# Altium PCB STM32F7_CoreBoard.PcbDoc (part 1 of 8)
Units mm, origin at the board's own origin, x right, y up, seen from the top; angles counter-clockwise.
Board outline 65 x 50 mm, 6 copper layers (L1, L2, L3, L4, L5, L6), stack 1.597 mm thick; 114 components, 192 nets, 736 pads, 791 vias.
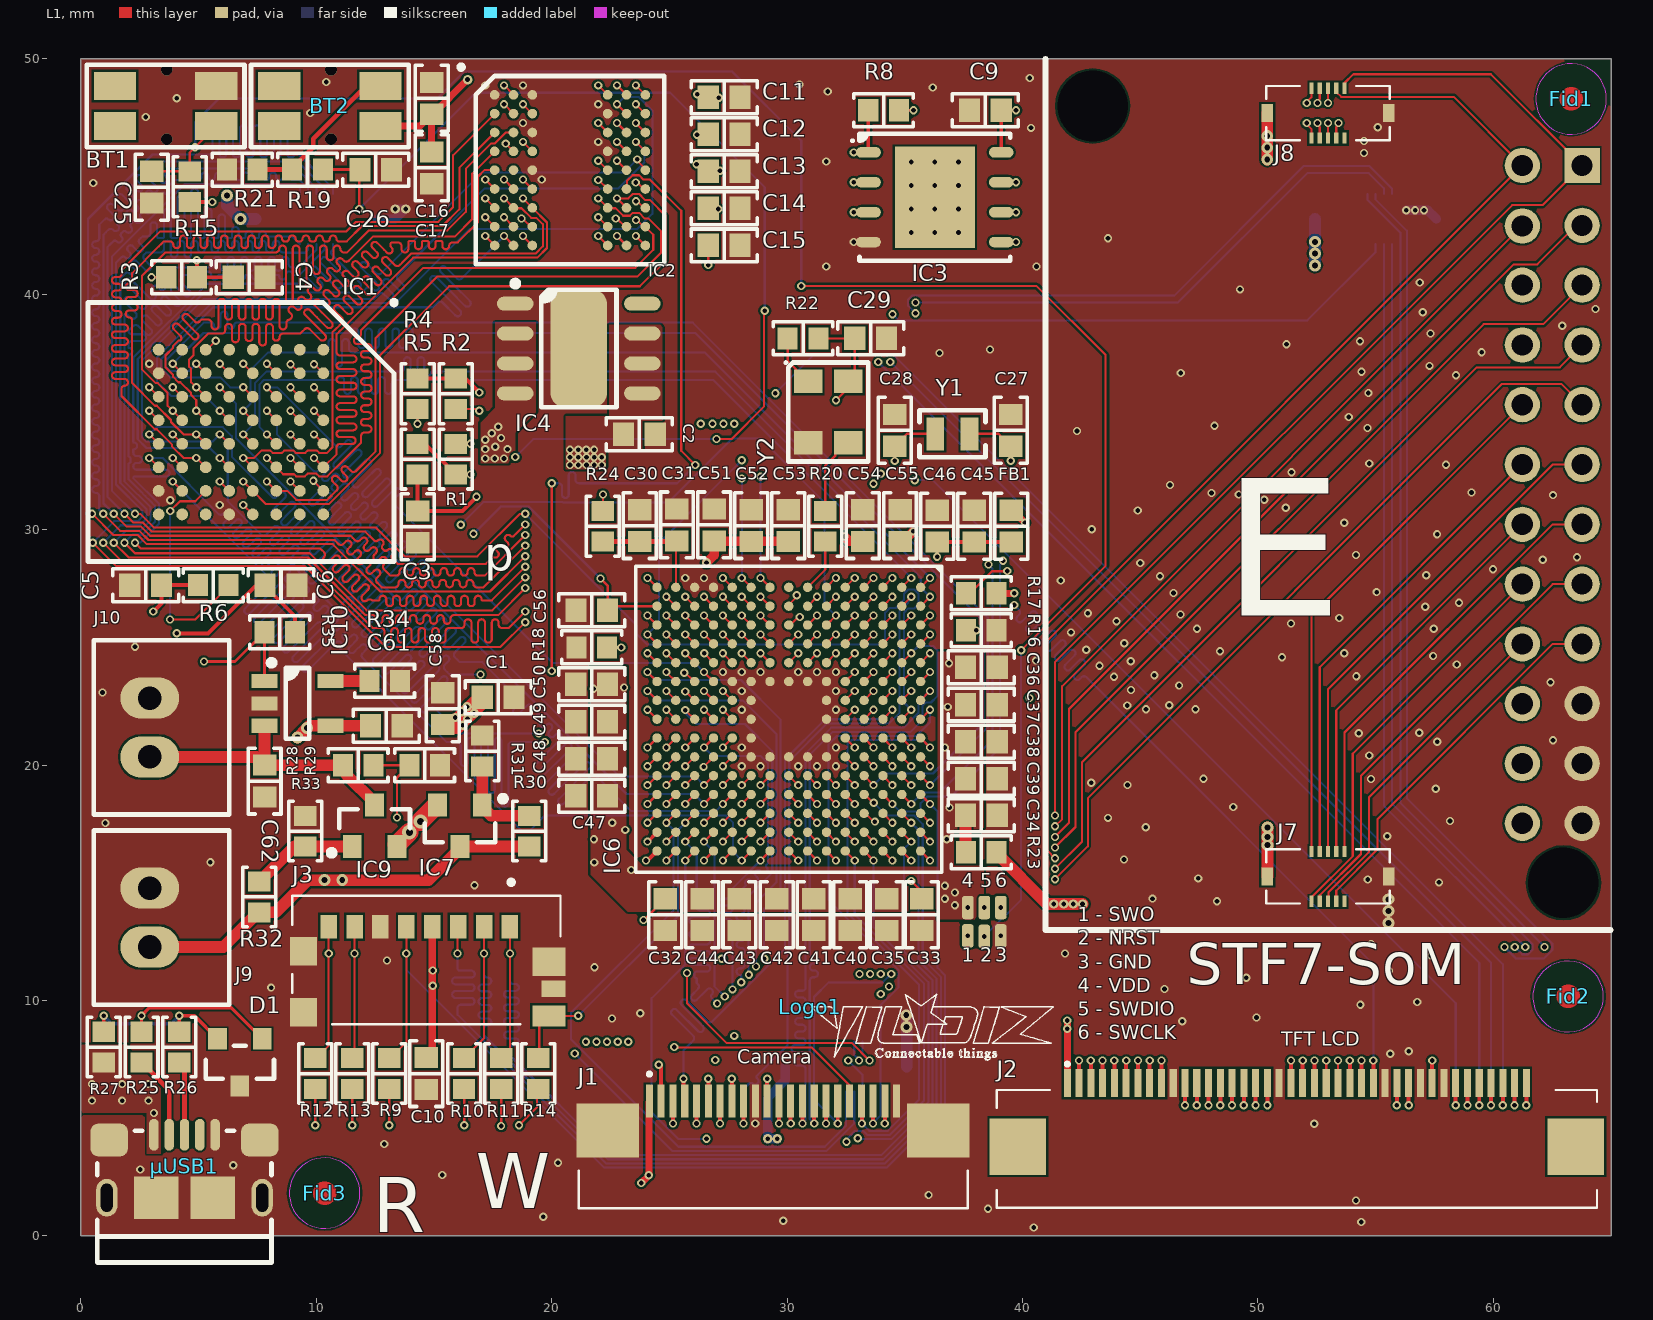
[diagram p0: L1 view]
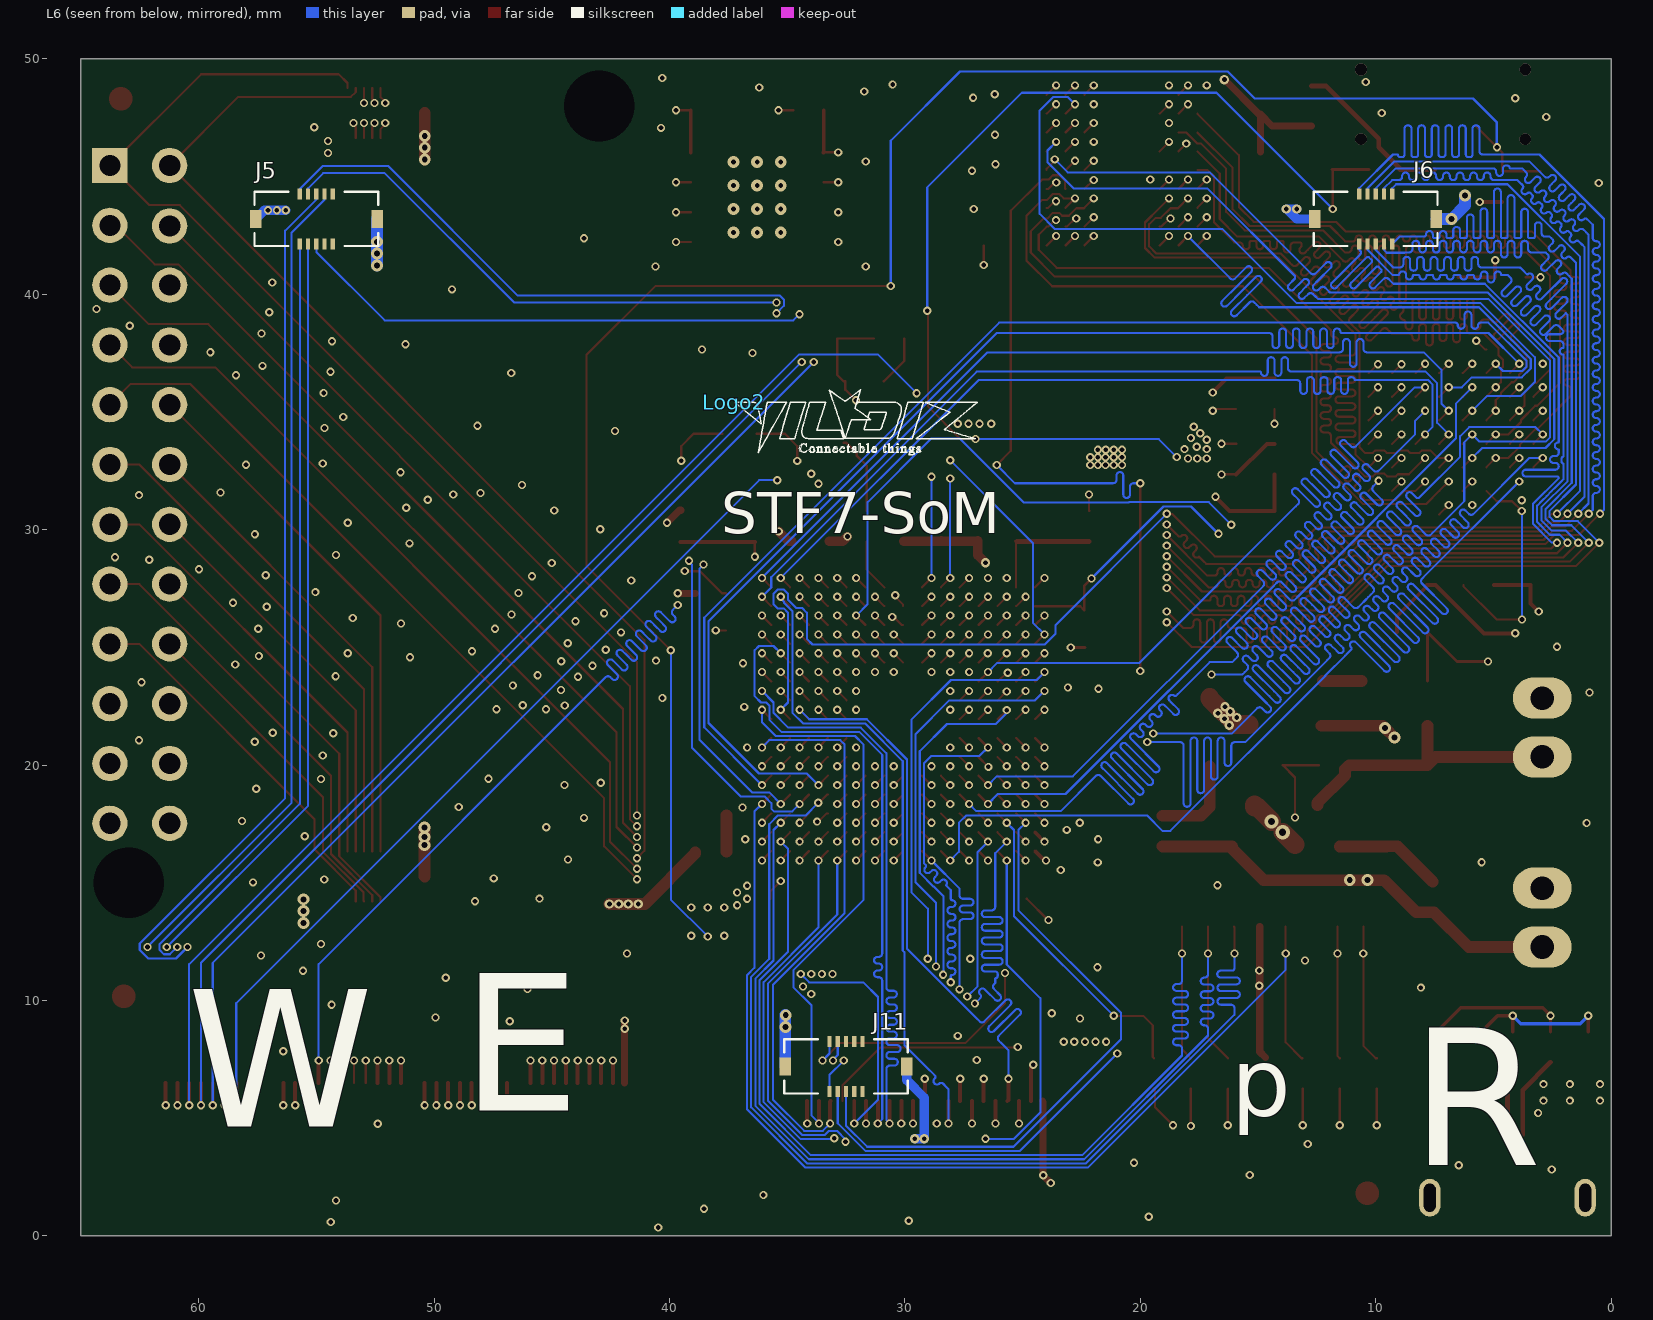
[diagram p1: L6 view, seen from below]
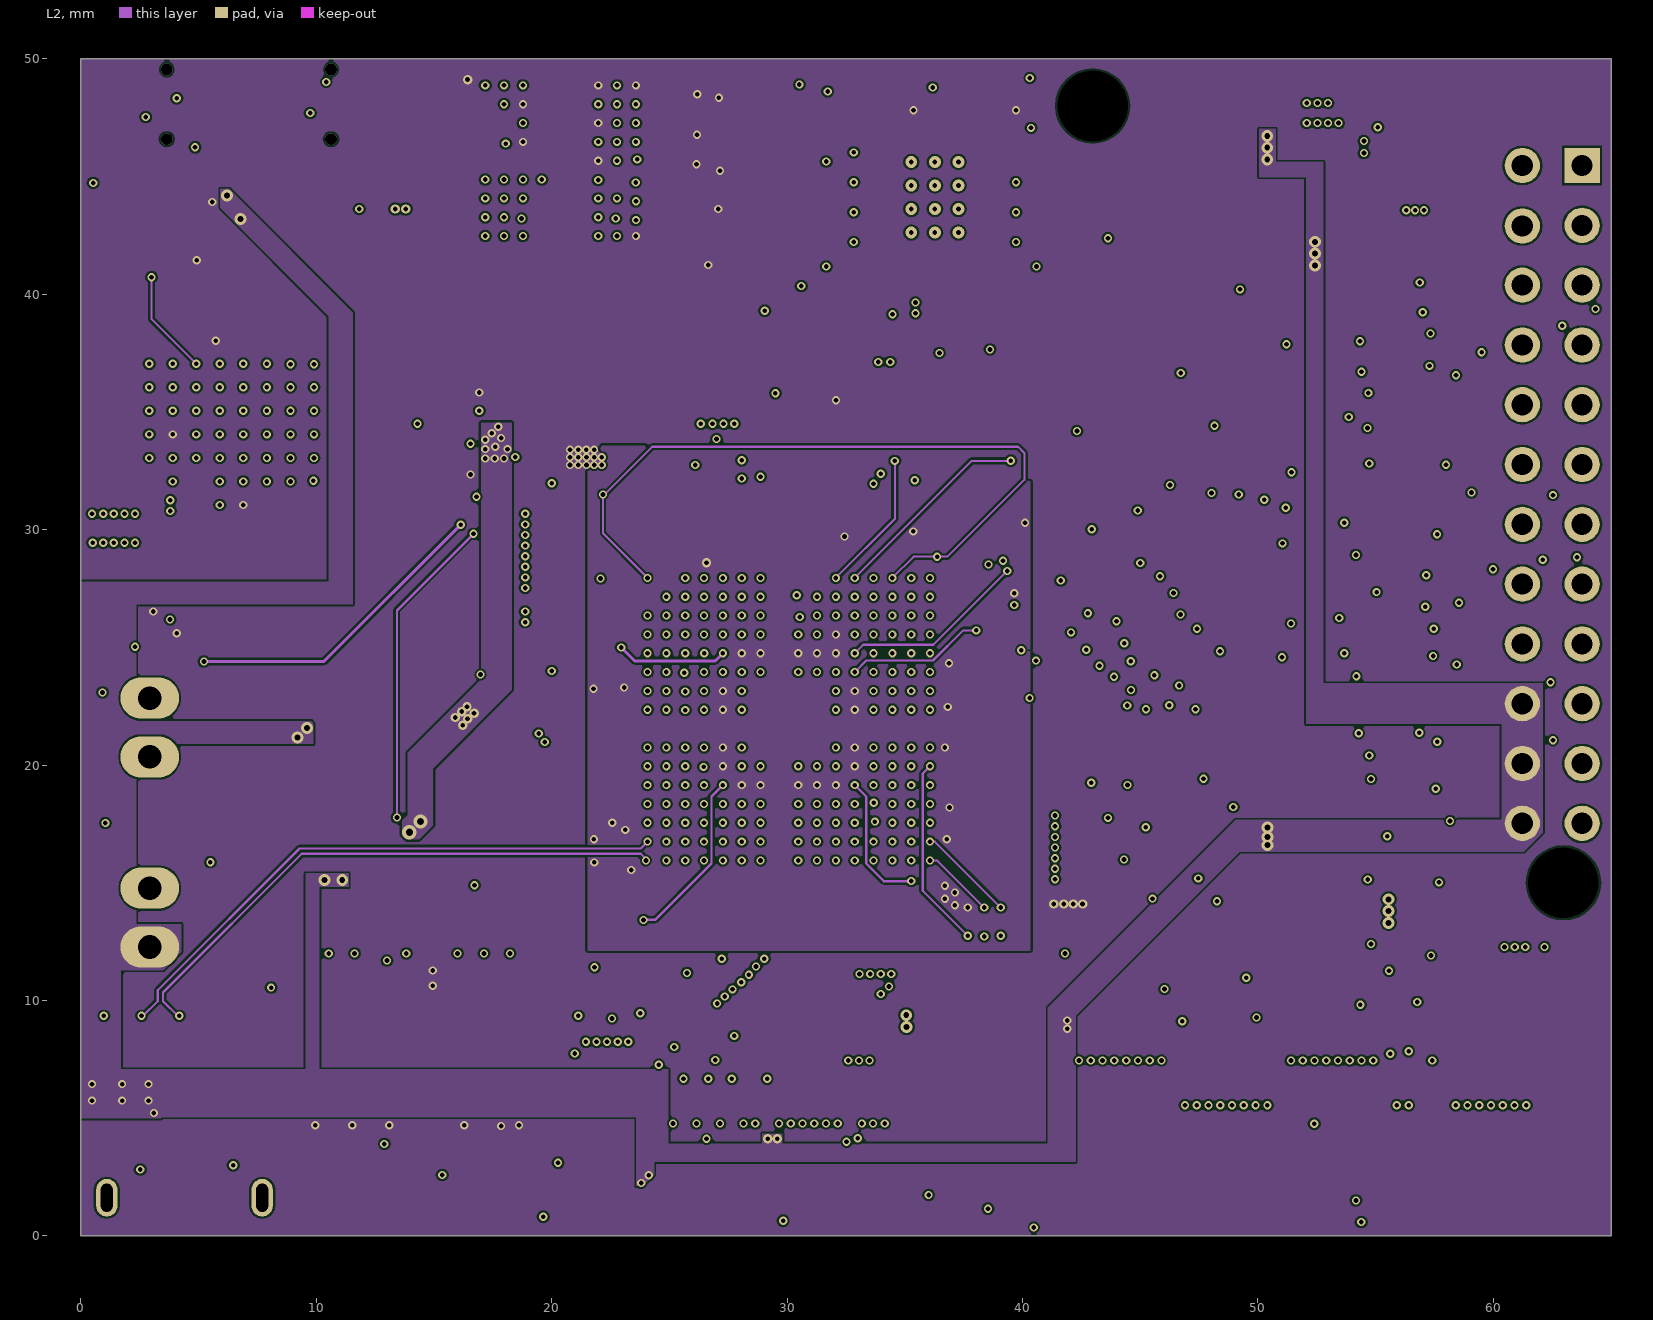
[diagram p2: L2]
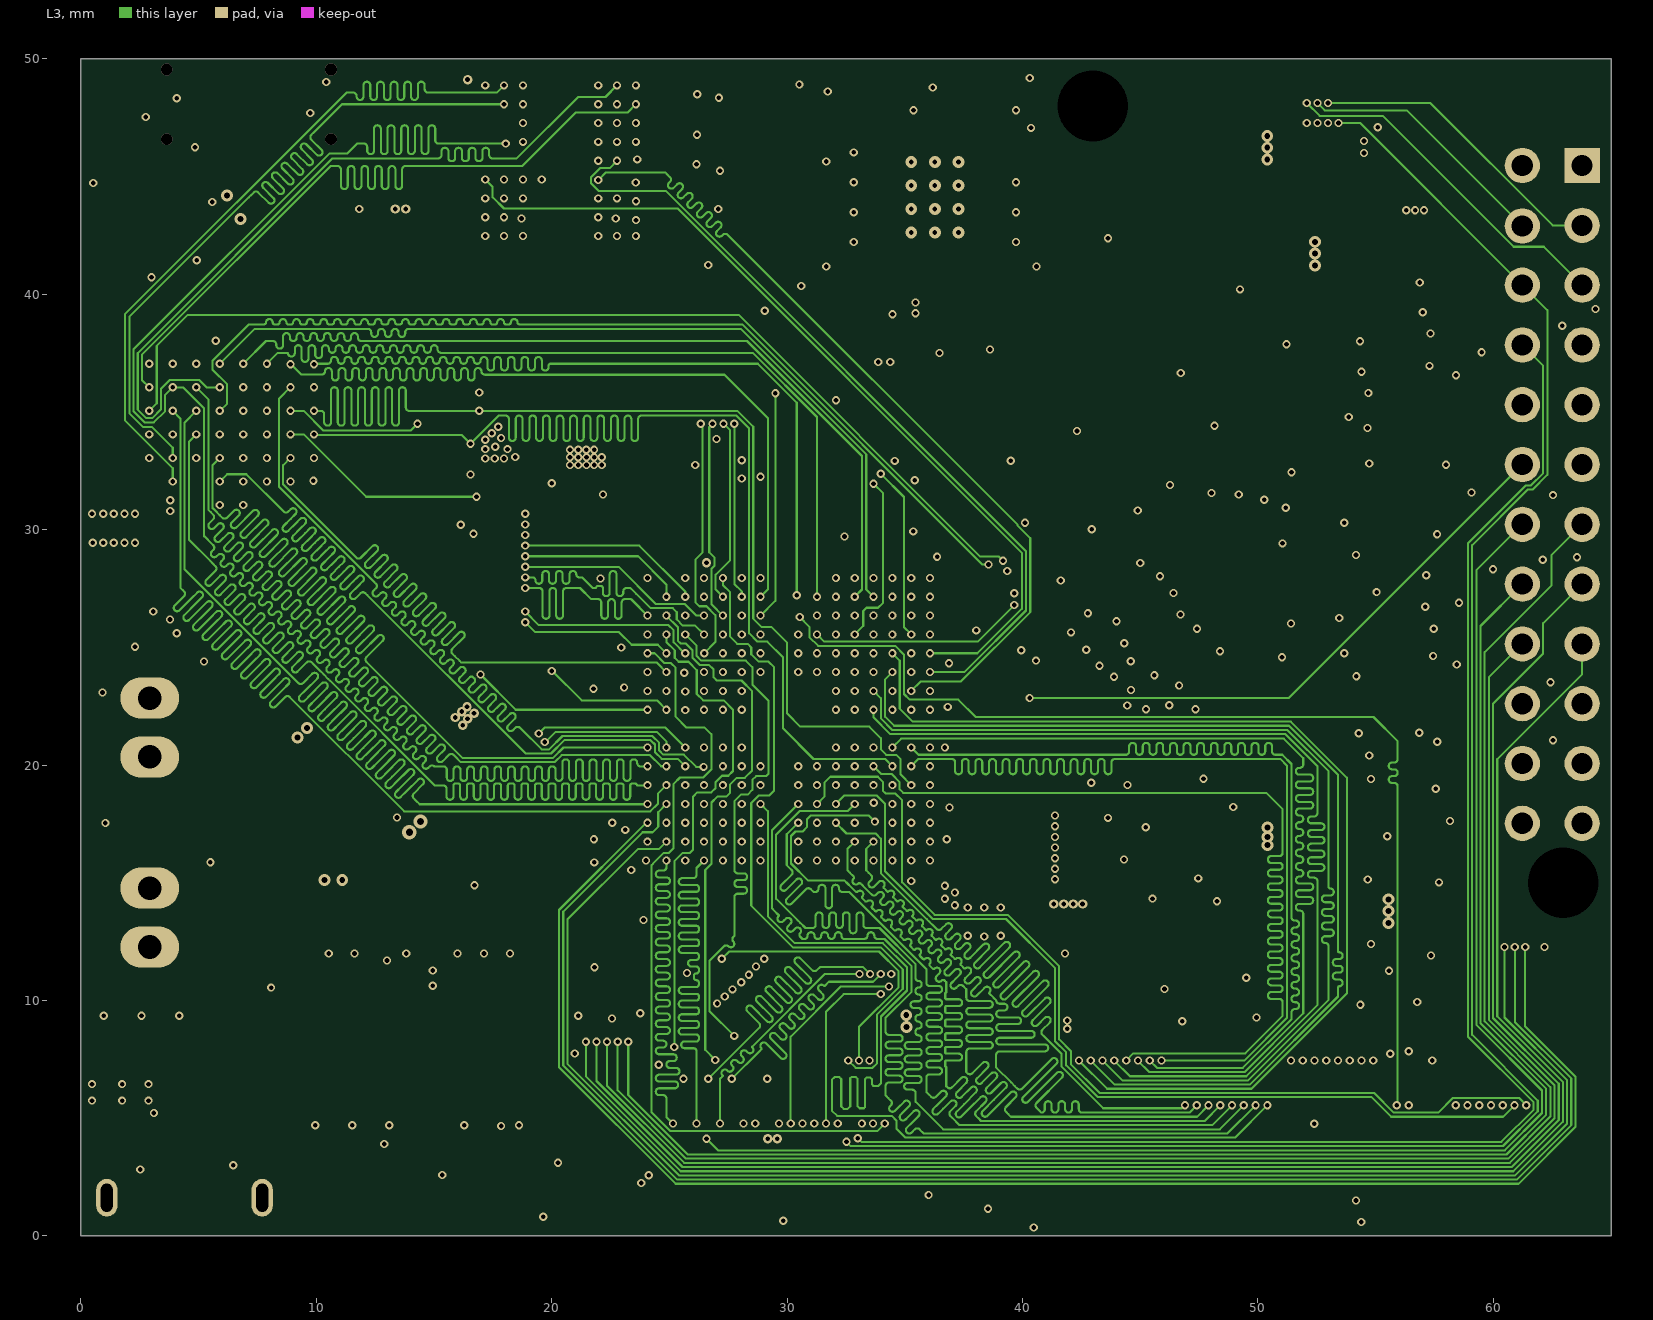
[diagram p3: L3]
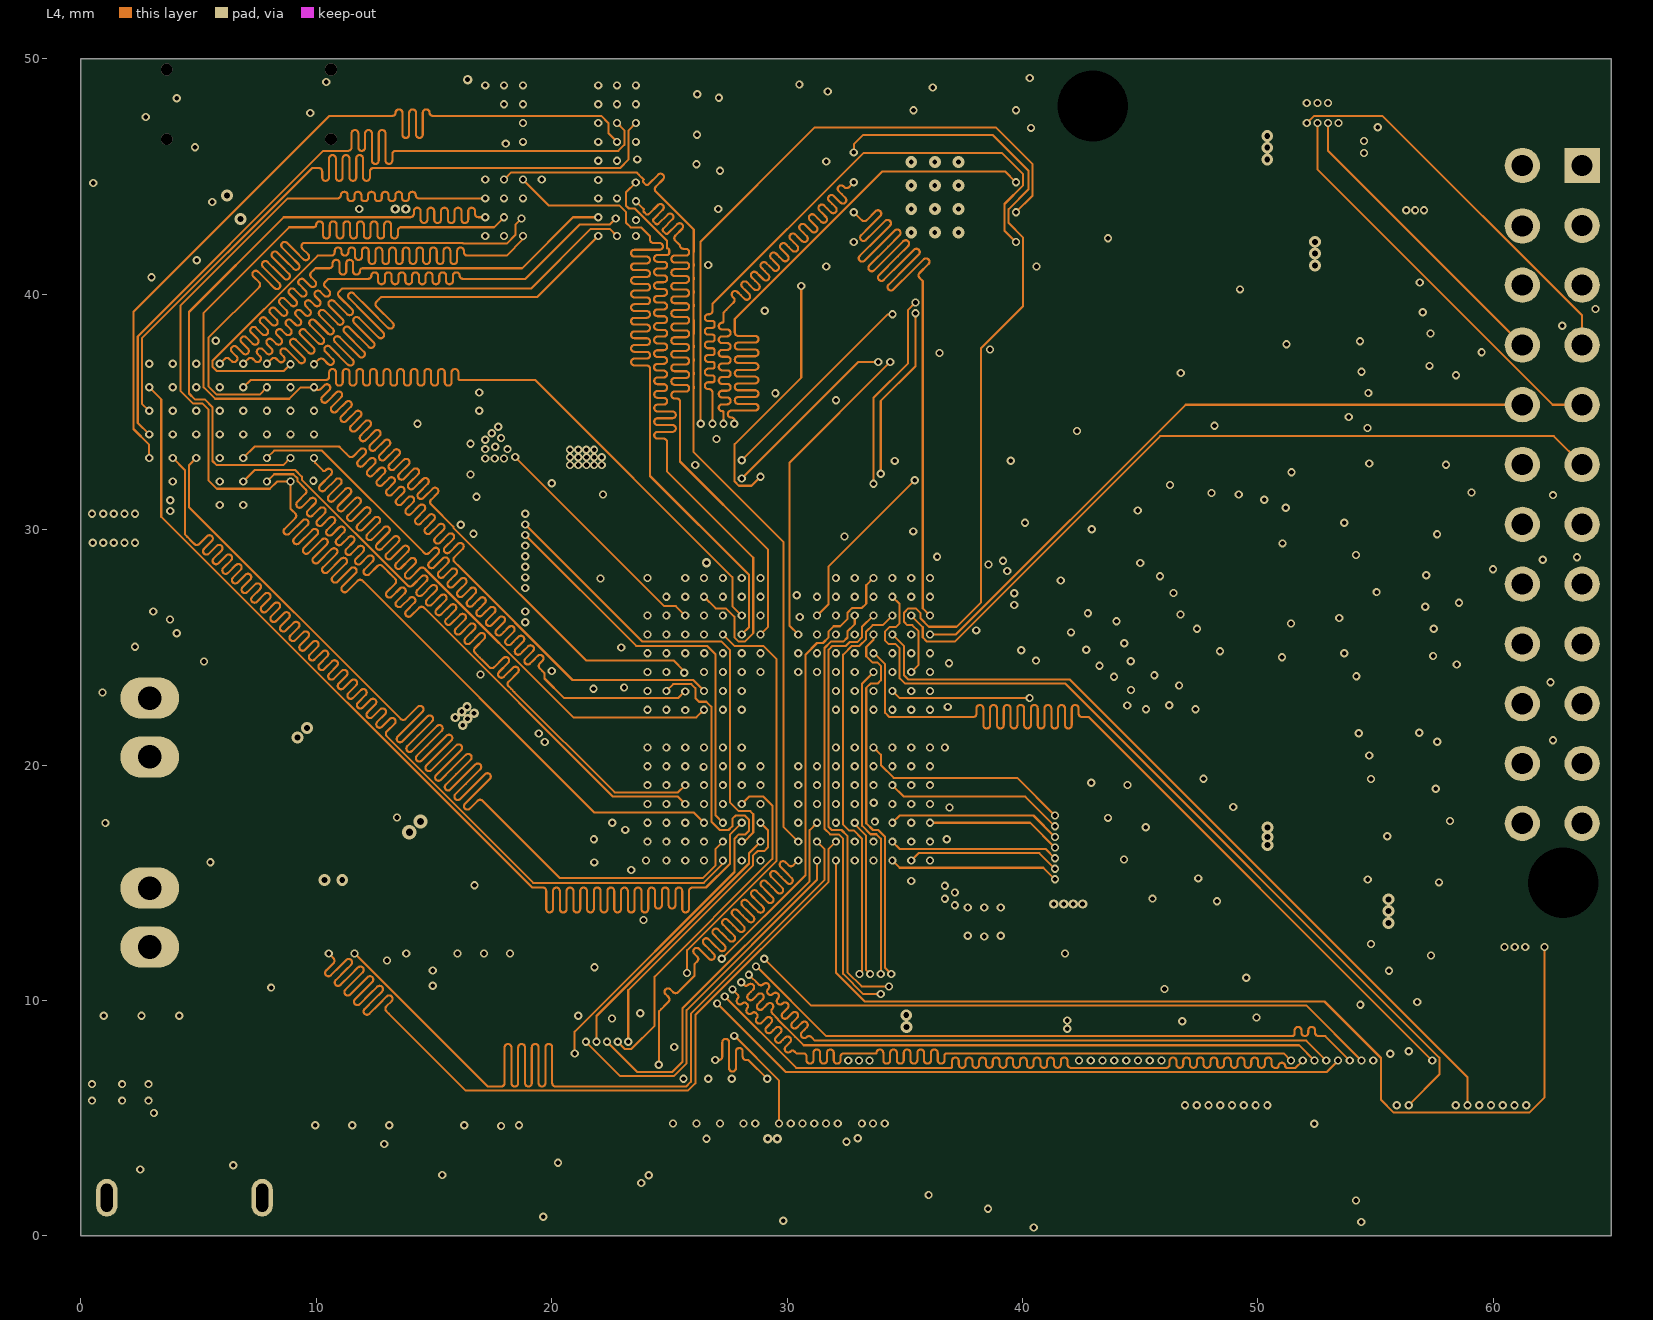
[diagram p4: L4]
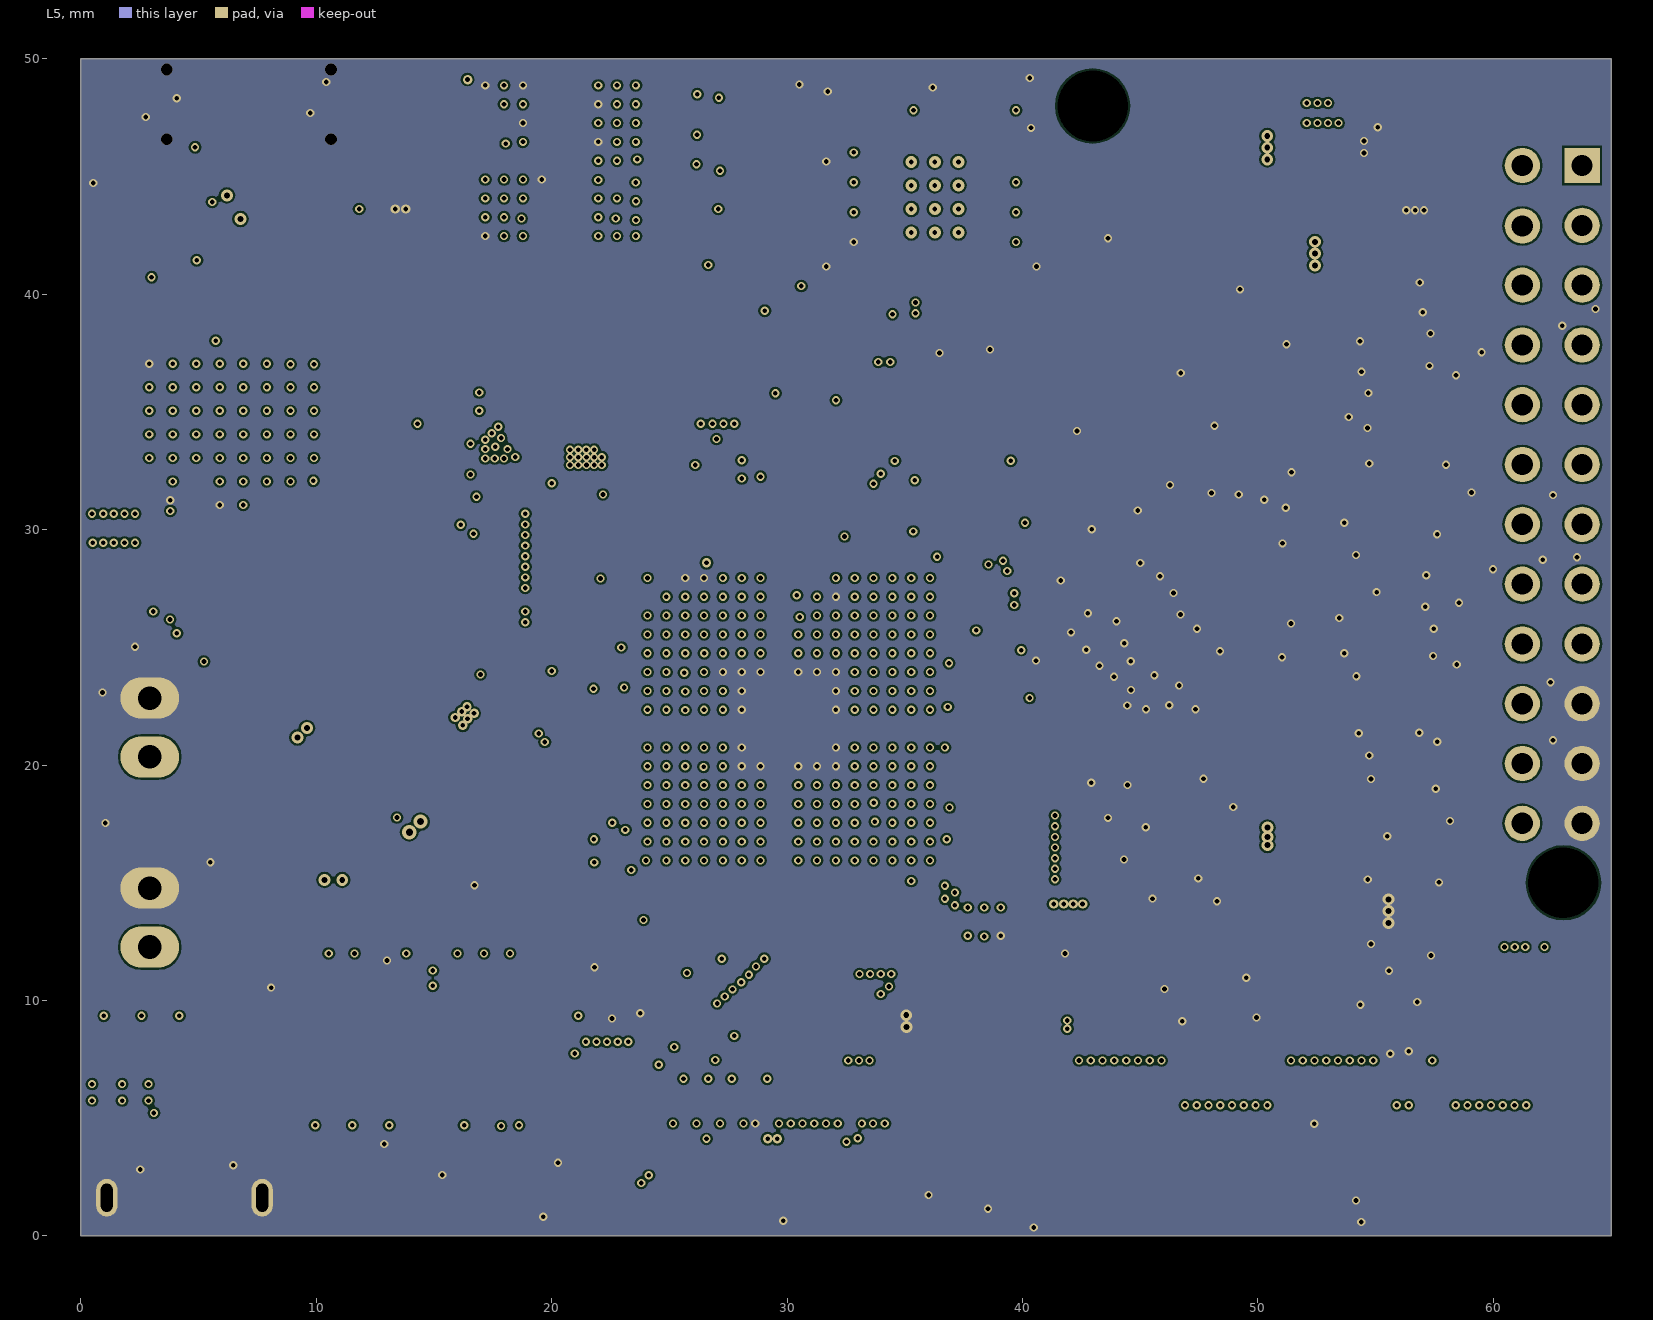
[diagram p5: L5]